# Altium PCB main_io.PcbDoc (part 2 of 3) (continued)
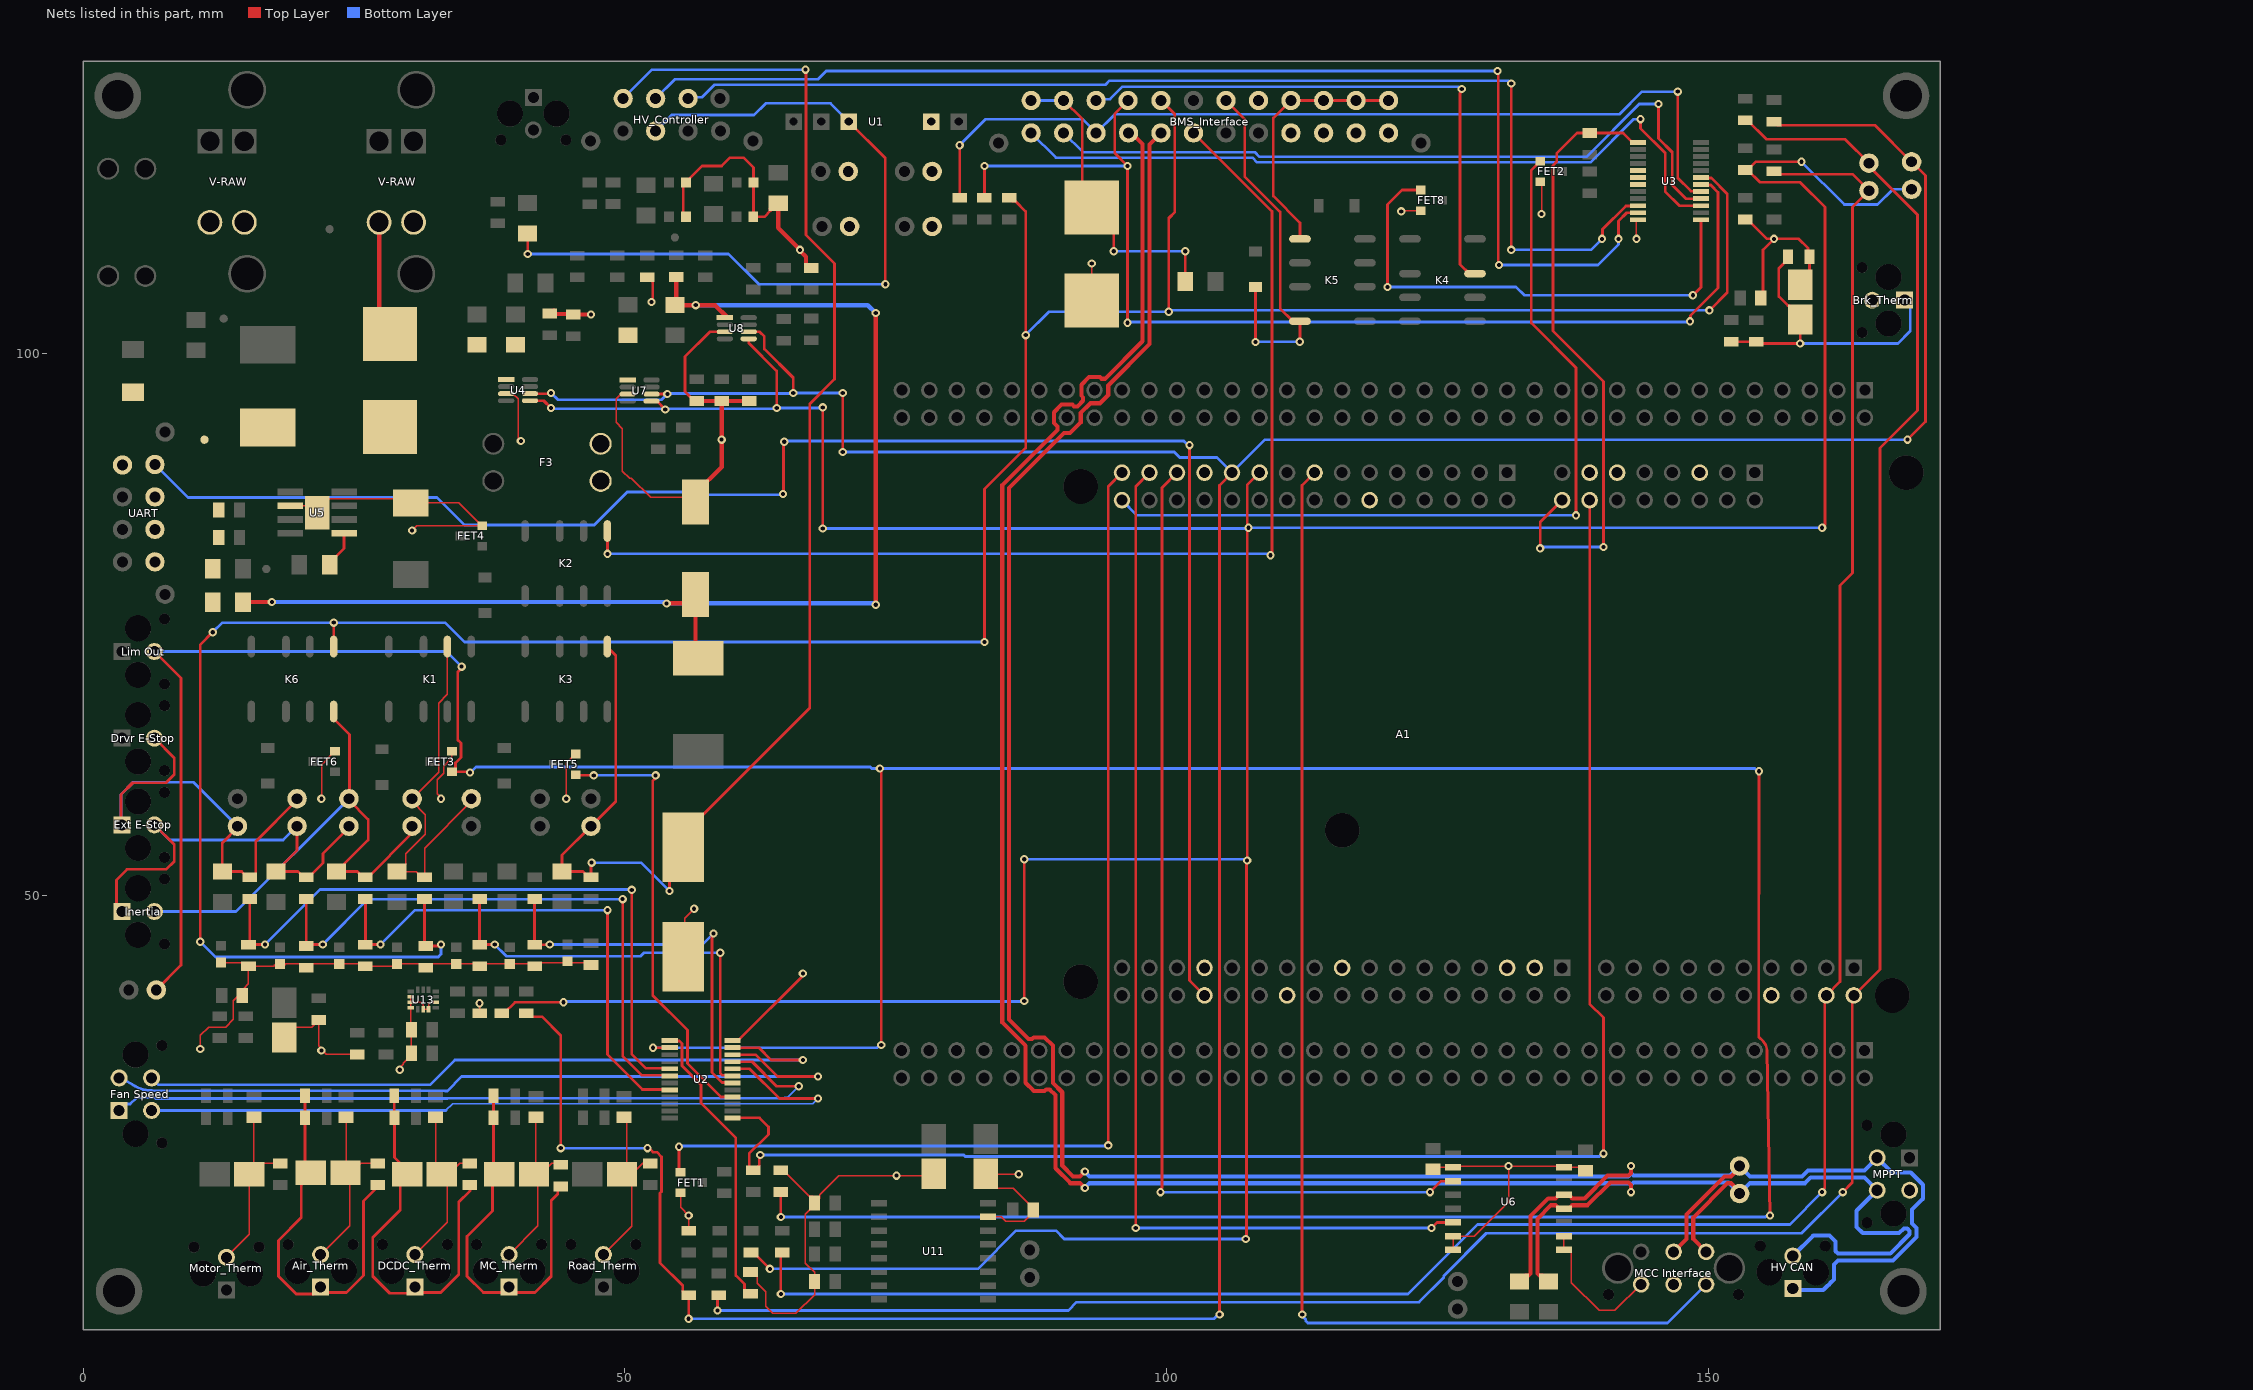
[diagram p4: the nets of this part, all layers, seen from the top]
## Part data (continued)
V-RAW V-RAW: library part CMP-008-000054-1, "Rectangular Power Connector, 2 Contact(s), Male, Solder Terminal"

## Via types
v1: diameter 0.762, hole 0.381, Top Layer to Bottom Layer, 253 vias

## Nets (pads, with @x,y where several pads share a name; then routed paths per layer and width w, separated by ;. In a path a pad name is that pad's centre, name@x,y a point inside that pad or via, vN(x,y) a via of type N, cw(c..) or ccw(c..) an arc to the next point about the centre after c; other vN are vias at no path point)
5V_PreShunt: C8.1 C9.1 L3.2 R7.1 R36.2 U8.1 | length 119.1
  Top Layer w0.254: C8.1@56.154,76.962 56.515,77.323 C8.1@56.515,77.767 ; L3.2@56.515,72.136 L3.2@56.769,71.882
  Top Layer w0.406: C9.1@14.735,77.089 v1(17.399,77.089) ; v1(53.848,76.962) C8.1@56.154,76.962 ; R36.2@54.737,107.093 54.737,104.612 R7.1@54.628,104.503 54.634,104.497 v1(56.533,104.497) 58.317,104.497 U8.1@59.436,103.378 ; L3.2@56.515,72.136 C8.1@56.515,77.323 ; v1(73.152,76.835) v1(73.152,103.759)
  Bottom Layer w0.254: v1(56.533,104.497) v1@56.539,104.491
  Bottom Layer w0.406: v1(17.399,77.089) 53.625,77.089 53.752,76.962 v1(53.848,76.962) ; v1@53.86,76.962 72.929,76.962 73.056,76.835 v1(73.152,76.835) ; v1@56.539,104.491 72.42,104.491 v1(73.152,103.759)
12V_PreShunt: F3.2 R88.1 U7.1 | length 0.6
  Top Layer w0.254: R88.1@50.292,101.724 50.292,101.219 R88.1@50.385,101.126
Air_Therm: Air_Therm.1 D15.1 R111.1 R112.1 TH3.2 | length 37.4
  Top Layer w0.254: R112.1@20.463,31.877 R111.1@20.463,29.464 20.463,24.911 21.117,24.257 20.114,23.254 20.114,20.25 18.016,18.152 18.016,14.841 19.65,13.208 21.273,13.208 Air_Therm.1@21.907,13.843 22.415,13.335 24.292,13.335 25.863,14.905 25.863,21.786 27.334,23.257 TH3.2@27.559,23.257
BMS_CHRG_EN: BMS_Interface.4 R79.1 U3.18 | length 104.5
  Top Layer w0.254: R79.1@83.185,114.411 v1(83.185,117.348) ; v1(96.393,102.87) v1(96.393,117.348) 95.225,118.516 95.225,122.174 BMS_Interface.4@96.444,123.393 ; v1(148.336,102.997) 148.367,103.028 148.367,103.536 150.91,106.079 150.91,114.911 150.239,115.582 149.375,115.582 U3.18@149.331,115.626
  Bottom Layer w0.254: v1(83.185,117.348) v1(96.393,117.348) ; v1(96.393,102.87) 96.456,102.933 148.273,102.933 v1(148.336,102.997)
BMS_CHRG_PWR: BMS_Interface.3 K4.7 | length 52.4
  Top Layer w0.254: v1(127.254,124.46) 127.157,124.363 127.157,124.119 127.095,124.057 127.095,108.259 127.947,107.407 K4.7@128.476,107.407
  Bottom Layer w0.254: BMS_Interface.3@93.497,123.393 93.617,123.513 94.767,123.513 95.918,124.663 126.913,124.663 127.117,124.46 v1(127.254,124.46)
BMS_DSCHRG_EN: BMS_Interface.5 K6.5 R5.2 R6.1 R78.1 U3.19 | length 275.7
  Top Layer w0.254: v1(10.795,45.72) 10.795,73.152 v1(11.938,74.295) ; K6.5@23.104,72.977 23.109,72.982 23.109,75.179 v1(23.114,75.184) ; R5.2@31.496,49.673 31.496,45.45 R6.1@31.623,45.323 32.877,45.323 v1(33.02,45.466) ; v1(83.185,73.406) 83.185,87.503 86.995,91.313 v1(86.995,101.727) 86.995,113.157 86.064,114.088 R78.1@86.019,114.088 ; R78.1@85.471,114.411 85.794,114.088 R78.1@86.019,114.088 ; R78.1@85.696,114.411 R78.1@86.019,114.088 ; BMS_Interface.5@99.492,123.393 100.762,122.123 100.762,113.078 100.203,112.519 v1(100.203,103.886) ; U3.19@149.331,116.276 149.375,116.232 150.307,116.232 151.765,114.774 151.765,105.664 v1(150.114,104.013)
  Bottom Layer w0.254: v1@10.922,45.593 12.192,44.323 32.766,44.323 33.02,44.577 v1(33.02,45.466) ; v1(11.938,74.295) 12.827,75.184 v1(23.114,75.184) 33.401,75.184 35.179,73.406 v1(83.185,73.406) ; v1(86.995,101.727) 89.154,103.886 v1(100.203,103.886) ; v1@100.203,104.013 v1(150.114,104.013)
BMS_MPI1: BMS_Interface.13 U3.15 | length 70.5
  Top Layer w0.254: v1(143.764,121.666) 143.764,120.807 146.05,118.521 146.05,114.957 147.331,113.676 U3.15@149.331,113.676
  Bottom Layer w0.254: BMS_Interface.13@87.503,120.396 89.789,118.11 107.929,118.11 108.361,117.678 139.141,117.678 143.129,121.666 v1(143.764,121.666)
BMS_MPI2: BMS_Interface.14 U3.16 | length 69
  Top Layer w0.254: v1(145.415,123.063) 145.415,119.883 146.685,118.613 146.685,115.57 147.929,114.326 U3.16@149.331,114.326
  Bottom Layer w0.254: BMS_Interface.14@90.5,120.396 92.278,118.618 108.14,118.618 108.572,118.186 138.76,118.186 143.637,123.063 v1(145.415,123.063)
BMS_MPO1: BMS_Interface.18 K2.5 | length 105.4
  Top Layer w0.254: K2.5@48.377,83.645 48.382,83.64 48.382,81.539 v1(48.387,81.534) ; BMS_Interface.18@102.489,120.396 109.731,113.154 109.731,81.674 109.601,81.544 v1(109.601,81.407)
  Bottom Layer w0.254: v1(48.387,81.534) 109.474,81.534 v1(109.601,81.407)
BMS_MPO2: BMS_Interface.15 R80.1 U3.17 | length 84.9
  Top Layer w0.254: R80.1@80.899,114.411 v1(80.899,119.253) ; v1(147.193,124.206) 147.193,116.25 148.423,115.02 149.287,115.02 U3.17@149.331,114.976
  Bottom Layer w0.254: v1(80.899,119.253) 83.312,121.666 92.227,121.666 BMS_Interface.15@93.497,120.396 95.225,122.123 141.808,122.123 143.891,124.206 v1(147.193,124.206)
BMS_MPO3: BMS_Interface.7 D7.1 K5.8 | length 34.7
  Top Layer w0.254: BMS_Interface.7@105.486,123.393 107.213,121.666 107.213,116.39 110.49,113.113 110.49,104.183 111.666,103.007 K5.8@112.316,103.007 112.316,101.14 v1(112.292,101.116) v1@112.268,101.092 ; D7.1@108.204,106.183 108.216,106.171 v1(108.216,101.104)
  Bottom Layer w0.254: v1@108.204,101.092 v1(108.216,101.104) 108.228,101.116 v1(112.292,101.116)
BMS_PWR: BMS_Interface.1 BMS_Interface.2 C15.1 F2.2 | length 28.2
  Top Layer w0.254: BMS_Interface.2@90.5,123.393 92.227,121.666 92.227,114.384 C15.1@93.091,113.52 95.123,111.488 v1(95.123,109.474) ; F2.2@101.724,106.68 101.727,106.683 v1(101.727,109.474)
  Bottom Layer w0.254: BMS_Interface.1@87.503,123.393 BMS_Interface.2@90.5,123.393 ; v1(95.123,109.474) v1(101.727,109.474)
Boot: C4.1 U5.1 | length 3.5
  Top Layer w0.254: C4.1@22.736,80.518 22.736,80.693 24.067,82.024 U5.1@24.067,83.439
Brake_Therm: Brk_Therm.1 D19.1 R118.1 R120.1 TH7.2 | length 29.3
  Top Layer w0.254: R120.1@152.146,101.124 154.416,101.124 R118.1@154.432,101.108 154.575,100.965 v1(158.496,100.965) D19.1@158.496,103.175 158.496,103.445 157.493,104.448 157.354,104.448 156.528,105.275 156.528,107.9 157.369,108.741 TH7.2@157.369,108.966
  Bottom Layer w0.254: v1(158.496,100.965) 167.513,100.965 168.656,102.108 168.656,104.473 Brk_Therm.1@168.227,104.902
Bus_PreShunt: C1.1@28.321,93.236 L1.2 L2.2 R10.1 R12.1 TP1.1 U4.1 | length 3.3
  Top Layer w0.254: L1.2@4.204,96.082 L1.2@4.572,96.45 ; L2.2@14.722,92.2 L2.2@16.614,94.092 ; R10.1@36.322,100.835 R10.1@36.472,100.835
CAN_N: "HV CAN.2" "MCC Interface.3" BMS_Interface.16 MPPT.4 P20.2 R55.1 U6.12 | length 237.1
  Top Layer w0.381: v1(92.456,22.987) 92.011,23.431 91.113,23.431 89.735,24.81 89.735,31.565 89.212,32.088 88.896,32.088 88.746,31.938 87.744,31.938 86.975,32.707 86.975,36.127 84.836,38.266 84.836,87.884 89.919,92.967 89.919,93.283 89.596,93.606 89.596,94.608 90.304,95.316 91.306,95.316 91.468,95.154 91.784,95.154 92.298,95.668 92.298,95.984 92.136,96.146 92.136,97.148 92.844,97.856 93.846,97.856 94.008,97.694 94.324,97.694 97.79,101.161 97.79,119.38 96.774,120.396 BMS_Interface.16@96.495,120.396 ; R55.1@135.255,14.354 134.721,14.888 134.462,14.888 134.239,15.112 134.239,20.141 135.497,21.399 135.924,21.399 136.242,21.082 137.142,21.082 137.46,21.399 138.872,21.399 140.968,23.495 142.652,23.495 142.875,23.272 v1(142.875,22.606) ; 149.812,17.097 148.629,18.279 148.629,20.282 151.779,23.431 152.095,23.431 152.908,22.619 P20.2@152.908,22.479
  Bottom Layer w0.381: v1(92.456,22.987) 92.9,23.431 142.715,23.431 142.875,23.272 ; v1(142.875,22.606) 142.875,23.272 ; 157.813,16.713 159.708,18.608 161.208,18.608 161.767,18.048 161.767,17.152 161.991,16.929 166.816,16.929 168.607,18.719 168.607,19.035 168.384,19.258 168.068,19.258 167.636,18.826 164.273,18.826 163.713,19.386 163.713,20.886 MPPT.4@165.608,22.781 164.426,23.964 159.47,23.964 158.938,23.431 153.861,23.431 P20.2@152.908,22.479 151.892,23.495 143.098,23.495 142.875,23.272
CAN_P: "HV CAN.1" "MCC Interface.2" BMS_Interface.17 MPPT.3 P20.1 R52.1 U6.13 | length 237.7
  Top Layer w0.381: v1(92.456,24.511) 92.011,24.066 91.376,24.066 90.37,25.073 90.37,31.828 89.503,32.695 89.503,36.139 88.746,36.896 87.744,36.896 87.582,36.734 87.266,36.734 85.471,38.53 85.471,87.621 90.526,92.676 91.084,92.676 92.075,93.667 92.075,94.547 92.965,95.438 93.846,95.438 94.615,96.207 94.615,97.087 98.425,100.897 98.425,119.329 BMS_Interface.17@99.492,120.396 ; R52.1@132.588,14.354 133.122,14.888 133.381,14.888 133.604,15.112 133.604,20.404 135.234,22.034 135.924,22.034 136.242,22.352 U6.13@136.692,22.352 137.142,22.352 137.46,22.034 138.609,22.034 140.705,24.13 142.652,24.13 142.875,24.353 v1(142.875,25.019) ; 146.812,17.097 147.994,18.279 147.994,20.545 151.516,24.066 152.095,24.066 152.908,24.879 P20.1@152.908,25.019
  Bottom Layer w0.381: v1(92.456,24.511) 92.9,24.066 142.628,24.066 142.875,24.313 142.875,24.353 ; v1(142.875,25.019) 142.875,24.353 ; 157.813,13.713 157.963,13.563 160.629,13.563 160.981,13.915 ccw(c159.963,15.213) 161.261,14.195 161.613,14.547 161.613,15.916 161.991,16.294 167.079,16.294 169.242,18.456 169.242,19.298 168.833,19.707 168.833,20.996 169.837,22.001 169.837,23.29 168.706,24.422 166.967,24.422 MPPT.3@165.608,25.781 164.426,24.599 159.207,24.599 158.675,24.066 153.861,24.066 P20.1@152.908,25.019 152.019,24.13 143.098,24.13 142.875,24.353
CAN_RXD: A1.CN9_25 U6.3 | length 94.5
  Top Layer w0.254: v1(99.441,22.606) 99.538,22.703 99.538,22.976 99.571,23.009 99.571,87.633 A1.CN9_25@100.965,89.027 ; v1(124.333,22.606) 125.349,23.622 U6.3@126.452,23.622
  Bottom Layer w0.254: v1(99.441,22.606) v1(124.333,22.606)
CAN_TXD: A1.CN9_27 U6.6 | length 99.8
  Top Layer w0.254: v1(97.155,19.304) 97.155,87.757 A1.CN9_27@98.425,89.027 ; v1(124.46,19.304) 124.968,19.812 U6.6@126.452,19.812
  Bottom Layer w0.254: v1(97.155,19.304) v1(124.46,19.304)
Chrg_Pwr_Dis: FET8.1 U3.13 | length 47
  Top Layer w0.254: v1(120.396,106.172) 120.396,113.792 121.727,115.123 FET8.1@123.46,115.123 ; v1(148.59,105.41) 149.331,106.151 U3.13@149.331,112.376
  Bottom Layer w0.254: v1(120.396,106.172) 132.272,106.172 133.034,105.41 v1(148.59,105.41)
DC_DC_Therm: D16.1 DCDC_Therm.1 R113.1 R114.1 TH4.2 | length 37.5
  Top Layer w0.254: R114.1@28.702,31.496 28.702,29.48 R113.1@28.718,29.464 28.718,25.8 30.261,24.257 29.258,23.254 29.258,20.97 26.716,18.428 26.716,14.841 28.286,13.271 30.035,13.271 DCDC_Therm.1@30.607,13.843 31.115,13.335 32.992,13.335 34.657,15.001 34.657,21.69 35.687,22.72 TH4.2@35.687,23.257 ; D16.1@29.626,24.257 D16.1@29.896,24.257
Discharge_+: Inertia.2 K6.4 P30.2 P37.1 R37.1 R44.1 | length 48.7
  Top Layer w0.254: K6.4@23.104,66.977 23.104,66.327 24.564,64.867 24.564,58.981 P30.2@24.511,58.928 ; R37.1@23.368,52.2 R37.1@23.518,52.2 ; P30.2@24.511,58.801 26.289,57.023 26.289,55.121 24.116,52.948 24.116,52.798 R37.1@23.518,52.2 ; P37.1@30.353,56.134 30.353,55.766 26.26,51.673 R44.1@26.035,51.673 25.81,51.673 25.283,52.2 R37.1@23.518,52.2
  Bottom Layer w0.254: Inertia.2@6.556,48.514 14.097,48.514 P30.2@24.511,58.928
Discharge_-: K1.6 P26.1 P37.2 R4.1 R5.1 | length 34.9
  Top Layer w0.127: R4.1@28.956,52.2 R4.1@29.106,52.2 ; P37.2@30.353,58.674 31.571,57.456 31.571,55.63 29.767,53.827 29.767,52.861 R4.1@29.106,52.2 ; P37.2@30.353,58.928 32.788,61.363 32.788,67.754 33.604,68.571 K1.6@33.604,72.977 ; P26.1@35.814,58.674 31.496,54.356 R5.1@31.496,51.673 31.271,51.673 30.744,52.2 R4.1@29.106,52.2
Driver_Estop_-: "Drvr E-Stop.2" "Ext E-Stop.1" P27.2 P28.1 R34.1 R38.1 | length 44.9
  Top Layer w0.254: 3.556,56.515 3.47,56.601 3.47,59.322 4.554,60.406 7.646,60.406 8.387,61.147 8.387,62.685 6.556,64.516 ; P27.2@14.224,56.261 12.827,54.864 R34.1@12.827,52.2 14.615,52.2 15.142,51.673 R38.1@15.367,51.673 15.592,51.673 15.915,51.996 15.915,54.989 P28.1@19.727,58.801
  Bottom Layer w0.254: 3.556,56.515 3.47,56.601 3.47,59.322 4.6,60.452 10.16,60.452 P27.2@14.224,56.388
Driver_Estop_Fdbk: R38.2 R39.1 U2.17 | length 60.8
  Top Layer w0.254: R39.1@15.24,45.45 15.256,45.466 v1(16.764,45.466) ; R39.1@15.367,45.577 R38.2@15.367,49.673 ; v1(50.621,50.516) 50.621,35.358 51.94,34.039 54.079,34.039 U2.17@54.123,33.995
  Bottom Layer w0.254: v1(16.764,45.466) 21.844,50.546 50.59,50.546 v1(50.621,50.516)
DriverIO_Hrn: R22.2 U2.13 | length 27.1
  Top Layer w0.254: U2.13@54.123,36.595 54.167,36.551 55.031,36.551 55.254,36.328 55.254,34.277 57.009,32.522 57.009,30.846 60.238,27.616 60.238,14.917 61.047,14.108 61.047,13.547 61.37,13.224 R22.2@61.595,13.224
Eco_EN: U3.6
Ext_Estop_-: "Ext E-Stop.2" Inertia.1 P28.2 P30.1 R35.1 R40.1 | length 41.8
  Top Layer w0.254: Inertia.1@3.556,48.514 3.048,49.022 3.048,51.435 4.018,52.405 7.646,52.405 8.387,53.146 8.387,54.684 6.556,56.515 ; R35.1@17.78,52.2 R35.1@17.93,52.2 ; P28.2@19.727,56.261 19.727,54.147 18.528,52.948 18.528,52.798 R35.1@17.93,52.2 ; P30.1@24.511,56.261 22.112,53.862 22.112,52.986 20.799,51.673 R40.1@20.574,51.673 20.349,51.673 19.822,52.2 R35.1@17.93,52.2
  Bottom Layer w0.254: 6.556,56.515 7.964,55.107 18.446,55.107 P28.2@19.727,56.388
Ext_Estop_Fdbk: R40.2 R41.1 U2.18 | length 54.9
  Top Layer w0.254: R40.2@20.574,49.673 R41.1@20.574,45.323 20.717,45.466 v1(22.098,45.466) ; v1(49.784,49.657) 49.784,35.179 51.574,33.389 54.079,33.389 U2.18@54.123,33.345
  Bottom Layer w0.254: v1(22.098,45.466) 26.289,49.657 v1(49.784,49.657)
FAN_PWR_+: BMS_Interface.9 BMS_Interface.10 BMS_Interface.11 BMS_Interface.12 K5.5 | length 23.5
  Top Layer w0.254: K5.5@112.316,110.607 112.316,112.093 109.855,114.554 109.855,121.768 BMS_Interface.9@111.481,123.393 BMS_Interface.10@114.503,123.393 BMS_Interface.11@117.5,123.393 BMS_Interface.12@120.498,123.393
FAN_SPEED1: "Fan Speed.1" U2.9 | length 70.7
  Top Layer w0.254: U2.9@59.923,34.645 61.748,34.645 64.008,32.385 v1(66.04,32.385)
  Bottom Layer w0.127: 64.96,31.305 v1(66.04,32.385)
  Bottom Layer w0.254: 3.302,30.147 3.888,30.733 4.317,30.733 4.897,31.313 6.609,31.313 6.668,31.254 ccw(c6.745,31.496) 6.743,31.242 33.611,31.242 64.75,31.305 64.96,31.305
FAN_SPEED2: "Fan Speed.2" U2.10 | length 74.1
  Top Layer w0.254: U2.10@59.923,35.295 62.063,35.295 64.084,33.274 v1(67.818,33.274)
  Bottom Layer w0.127: 3.302,33.147 3.481,33.147
  Bottom Layer w0.254: 3.481,33.147 4.718,32.415 ccw(c6.304,35.098) 6.301,31.981 33.392,31.951 33.602,31.951 34.925,33.274 v1(67.818,33.274)
FAN_SPEED3: "Fan Speed.3" U2.8 | length 71
  Top Layer w0.254: U2.8@59.923,33.995 61.509,33.995 64.262,31.242 v1(67.818,31.242)
  Bottom Layer w0.127: 33.477,30.147 34.102,30.772 67.348,30.772 v1(67.818,31.242)
  Bottom Layer w0.254: 6.302,30.147 33.477,30.147
FAN_SPEED4: "Fan Speed.4" U2.11 | length 68.3
  Top Layer w0.254: U2.11@59.923,35.945 62.353,35.945 63.5,34.798 v1(66.421,34.798)
  Bottom Layer w0.254: 6.302,33.147 6.937,32.512 32.004,32.512 34.29,34.798 v1(66.421,34.798)
GND: "MCC Interface.4" "MCC Interface.5" A1.CN7_8 A1.CN8_5 A1.CN8_11 A1.CN8_13 A1.CN9_12 A1.CN9_23 A1.CN10_3 A1.CN10_5 A1.CN10_17 A1.CN10_22 A1.CN10_27 Air_Therm.2 BMS_Interface.8 BMS_Interface.21 BMS_Interface.22 BMS_Interface.23 BMS_Interface.24 Brk_Therm.2 C1.1@124.587,24.704 C1.2@28.321,101.836 C2.2 C3.2 C5.2 C6.2 C7.2 C8.2 C9.2 C10.1 C12.2 C14.2 C15.2 C55.2 C56.2 C57.2 C62.2 C63.2 C64.2 C65.2 C66.2 C67.2 C68.2 D4.2 D5.2 D9.1 D13.1 D14.1 D15.2 D16.2 D17.2 D18.2 D19.2 DCDC_Therm.2 FET1.3 FET2.3 FET3.3 FET4.3 FET5.3 FET6.3 FET8.3 LED1.2 LED2.2 LED3.2 LED4.2 LED5.2 LED6.2 LED7.2 LED8.2 LED9.2 LED10.2 LED11.2 MC_Therm.2 Motor_Therm.2 MPPT.2 P11.2 P16.2 P19.2 P23.2 R6.2 R21.2 R22.1 R30.2 R33.2 R39.2 R41.2 R42.1 R45.2 R49.2 R51.2 R58.1 R59.1 R63.1 R64.1 R68.1 R69.1 R71.2 R126.1 R127.1 Road_Therm.2 TH1.1 TH2.1 TH3.1 TH4.1 TH5.1 TH6.1 TH7.1 U1.2 U2.12 U3.12 U4.3 U5.6 U5.9 U6.2 U6.7 U6.8 U6.9 U6.10 U6.15 U7.3 U8.3 U11.15 U13.2 U13.3 U13.4 U13.6 U13.7 U13.9 UART.4 UART.5 UART.6 UART.7 V-RAW.B1 V-RAW.B2 | length 417.1
  Top Layer w0.127: v1(10.795,35.814) 10.795,37.084 11.557,37.846 13.147,37.846 13.856,38.554 13.856,40.29 14.793,41.227 14.793,41.402 15.24,41.849 R39.2@15.24,43.45 ; C5.2@12.512,85.598 C5.2@12.512,85.773 ; LED4.2@12.7,43.802 14.888,43.802 R39.2@15.24,43.45 ; Motor_Therm.2@13.208,16.589 15.316,18.697 D5.2@15.316,24.257 D5.2@15.748,24.689 ; C14.2@15.748,29.657 C14.2@15.748,29.53 D5.2@15.748,24.689 ; 17.682,43.577 17.555,43.45 R39.2@15.24,43.45 ; LED5.2@17.78,43.675 LED5.2@18.161,43.675 ; TH2.1@18.161,25.257 16.316,25.257 D5.2@15.748,24.689 ; D4.2@18.415,37.643 18.618,37.846 21.066,37.846 TH1.1@21.717,38.497 21.717,36.113 21.971,35.859 v1(21.971,35.687) 22.049,35.687 22.414,35.322 R126.1@25.273,35.322 ; 18.698,43.577 18.063,43.577 LED5.2@18.161,43.675 ; U5.6@19.113,85.979 20.955,85.979 U5.9@21.59,85.344 21.59,85.534 22.677,86.62 29.842,86.62 D9.1@30.226,86.236 34.663,86.236 FET4.3@36.764,84.135 ; Air_Therm.2@21.907,16.843 24.587,19.523 D15.2@24.587,24.257 ; v1(21.971,58.928) 21.993,58.95 21.993,62.074 22.838,62.92 22.838,62.97 23.175,63.307 FET6.3@23.225,63.307 ; C62.2@24.257,29.591 C62.2@24.257,29.53 24.257,24.587 D15.2@24.587,24.257 ; TH3.1@27.559,25.257 TH3.1@27.178,25.257 25.587,25.257 D15.2@24.587,24.257 ; v1(29.21,33.909) 29.21,34.081 29.526,34.396 29.526,34.492 30.292,35.258 C64.2@30.292,35.433 C65.2@30.292,37.592 30.209,37.675 U13.4@30.209,39.636 U13.3@30.209,40.136 ; U13.2@30.209,40.636 U13.3@30.209,40.136 ; v1(30.353,83.693) 30.795,84.135 FET4.3@36.764,84.135 ; DCDC_Therm.2@30.607,16.843 33.579,19.814 33.579,24.257 32.512,25.324 C63.2@32.512,29.53 C63.2@32.512,29.657 ; U13.9@32.529,40.136 32.522,40.143 32.041,40.143 31.869,39.971 U13.7@31.869,39.476 U13.6@31.369,39.476 31.362,39.483 31.362,39.913 31.138,40.136 U13.3@30.209,40.136 ; D16.2@32.944,24.257 D16.2@33.096,24.257 ; v1(33.02,58.928) 33.02,59.006 32.655,59.371 32.655,60.691 33.252,61.289 33.252,61.939 34.02,62.706 FET3.3@34.02,63.307 ; D16.2@33.731,24.257 34.731,25.257 TH4.1@35.687,25.257 ; R127.1@36.576,39.132 v1(36.576,40.047) ; FET4.3@36.814,84.135 FET4.3@36.764,84.135 ; U4.3@39.032,96.322 39.645,96.322 40.132,95.835 40.132,95.477 v1@40.132,91.948 ; MC_Therm.2@39.306,16.843 41.97,19.507 41.97,23.987 D18.2@42.24,24.257 ; C67.2@41.783,29.657 C67.2@41.783,29.53 41.783,24.714 D18.2@42.24,24.257 ; R59.1@43.053,103.727 43.053,103.997 R59.1@43.256,103.997 ; TH6.1@44.323,25.257 43.24,25.257 D18.2@42.24,24.257 ; v1(44.577,58.928) 44.577,62.18 45.063,62.666 45.063,62.716 45.4,63.053 FET5.3@45.45,63.053 ; R49.2@46.863,43.577 46.638,43.802 42.008,43.802 R51.2@41.656,43.45 41.431,43.675 LED9.2@39.37,43.675 36.801,43.675 R33.2@36.576,43.45 36.351,43.675 LED3.2@34.417,43.675 31.848,43.675 31.496,43.323 31.144,43.675 LED1.2@28.956,43.675 28.731,43.45 R45.2@26.035,43.45 25.81,43.675 LED7.2@23.622,43.675 20.926,43.675 R41.2@20.574,43.323 20.222,43.675 LED5.2@18.161,43.675 ; Road_Therm.2@48.006,16.843 50.622,19.459 D17.2@50.622,24.257 ; C66.2@50.165,29.617 50.165,24.714 D17.2@50.622,24.257 ; U7.3@50.25,96.281 49.636,96.281 49.531,96.176 49.499,96.176 49.18,95.857 49.18,93.695 49.771,93.104 49.771,89.167 50.419,88.519 50.591,88.519 52.369,86.741 56.091,86.741 C8.2@56.515,86.317 ; TH5.1@52.324,25.257 51.622,25.257 D17.2@50.622,24.257 ; v1(52.451,104.775) v1@52.573,104.897 ; FET1.3@55.134,22.545 55.134,21.193 v1(55.88,20.447) R21.2@55.88,19.034 ; C3.2@55.372,44.353 55.499,44.48 55.499,47.879 v1(56.388,48.768) ; R63.1@56.031,96.034 56.417,95.647 R63.1@56.642,95.647 ; R69.1@61.468,95.647 61.648,95.647 R69.1@62.034,96.034 ; R22.1@61.595,15.224 61.82,15.224 62.206,14.837 62.206,14.187 62.992,13.401 62.992,12.065 63.627,11.43 65.786,11.43 67.503,13.147 C56.2@67.503,14.351 67.503,15.217 66.661,16.059 66.661,20.572 67.503,21.415 C55.2@67.503,21.59 C55.2@67.734,21.821 ; C2.2@63.63,113.411 C2.2@64.135,113.916 ; R71.2@64.389,24.622 64.614,24.622 67.009,22.227 67.328,22.227 C55.2@67.734,21.821 ; D14.1@78.486,24.308 78.308,24.13 v1(75.057,24.13) 69.73,24.13 67.965,22.364 67.965,22.052 C55.2@67.734,21.821 ; U11.15@83.511,20.32 84.752,20.32 85.134,19.937 86.848,19.937 87.691,20.78 C57.2@87.691,20.955 87.691,21.13 85.849,22.972 84.379,22.972 83.312,24.038 D13.1@83.312,24.308 83.363,24.257 v1(86.36,24.257) ; C15.2@93.091,104.92 v1(93.091,108.331) ; v1(121.666,113.157) 121.732,113.223 FET8.3@123.46,113.223 ; C1.1@124.206,24.704 124.394,24.892 U6.2@126.452,24.892 126.579,25.019 v1(131.572,25.019) ; U6.8@126.452,17.272 U6.7@126.452,18.542 128.397,18.542 131.572,21.717 v1(131.572,25.019) ; FET2.3@134.509,115.89 134.62,115.779 v1(134.62,112.903) ; U6.10@136.692,18.542 U6.9@136.692,17.272 137.142,17.272 137.379,17.036 137.379,14.259 139.954,11.684 141.399,11.684 143.812,14.097 ; C10.1@138.684,24.577 138.369,24.892 U6.15@136.692,24.892 136.565,25.019 v1(131.572,25.019) ; v1(143.383,110.617) 143.383,112.228 U3.12@143.531,112.376 ; R59.1@43.256,103.997 43.411,103.997 43.528,104.114 43.373,104.114 R59.1@43.256,103.997
  Top Layer w0.254: R42.1@52.07,107.077 52.573,106.574 v1@52.573,104.897 ; LED11.2@55.626,112.674 55.372,112.928 55.372,115.57 LED2.2@55.626,115.824 ; LED2.2@55.626,115.849 57.125,117.348 58.928,117.348 59.69,118.11 60.96,118.11 61.862,117.208 LED6.2@61.862,115.824 ; R63.1@56.031,96.034 55.541,96.523 55.541,99.737 57.841,102.037 U8.3@59.225,102.037 ; U2.12@59.923,36.595 60.448,36.595 66.299,42.447 66.299,42.677 v1(66.421,42.799) ; LED10.2@61.849,112.649 62.868,112.649 63.438,113.219 C2.2@63.438,113.394 ; LED10.2@61.855,112.655 LED6.2@61.855,115.818 ; R30.2@153.416,112.411 153.641,112.411 155.435,110.617 v1(156.083,110.617) ; C68.2@154.874,105.156 155.067,105.349 155.067,109.601 v1(156.083,110.617) ; D19.2@158.496,106.375 159.369,107.248 TH7.1@159.369,108.966 159.229,109.106 159.229,109.757 158.369,110.617 v1(156.083,110.617)
  Top Layer w0.406: V-RAW.B2@27.3,112.141 27.3,102.857 C1.2@28.321,101.836 ; R59.1@42.828,103.727 R59.1@43.053,103.727 43.101,103.68 45.164,103.68 R58.1@45.212,103.632 v1(46.863,103.632) ; LED11.2@55.626,112.649 LED11.2@55.626,112.674 ; LED2.2@55.626,115.824 LED2.2@55.626,115.849 ; C8.2@56.515,86.317 56.515,87.142 58.928,89.555 v1(58.928,92.075) R64.1@58.928,95.647 ; R63.1@56.642,95.647 R64.1@58.928,95.647 ; R69.1@61.468,95.647 R64.1@58.928,95.647 ; LED10.2@61.849,112.649 LED10.2@61.855,112.655 ; LED6.2@61.855,115.818 LED6.2@61.862,115.824 ; C2.2@63.438,113.394 63.455,113.411 C2.2@63.63,113.411 ; C2.2@64.135,113.916 64.135,111.633 v1(66.167,109.601) 66.167,109.505 66.711,108.961 66.711,108.165 66.958,107.918 R68.1@67.183,107.918
  other v1: 40.386,91.948
GPIO1_INT: A1.CN8_14 R15.1 U2.1 | length 149.4
  Top Layer w0.254: U2.1@59.923,29.445 59.942,29.464 62.419,29.464 63.246,28.637 63.246,27.94 61.468,26.162 61.468,24.818 61.791,24.495 61.82,24.495 62.397,25.072 62.397,25.948 v1(62.484,26.035) ; A1.CN8_14@139.065,86.487 139.065,39.99 140.335,38.72 v1(140.335,26.162)
  Bottom Layer w0.254: v1(62.484,26.035) 81.285,26.035 81.412,25.908 139.944,25.908 140.198,26.162 v1(140.335,26.162)
GPIO1_RST: A1.CN9_29 FET1.1 | length 104.7
  Top Layer w0.254: v1(54.991,26.797) 54.991,24.588 FET1.1@55.134,24.445 ; v1(94.615,26.924) 94.615,87.757 A1.CN9_29@95.885,89.027
  Bottom Layer w0.254: v1(54.991,26.797) 55.054,26.86 94.551,26.86 v1(94.615,26.924)
GPIO2_INT: A1.CN8_16 R24.1 U3.1 | length 58.2
  Top Layer w0.254: v1(134.493,82.042) 134.493,84.455 A1.CN8_16@136.525,86.487 ; v1(140.335,82.169) 140.335,97.455 135.678,102.112 135.678,117.398 136.017,117.737 136.017,118.491 137.906,120.38 R24.1@139.065,120.38 142.152,120.38 143.006,119.526 U3.1@143.531,119.526
  Bottom Layer w0.254: v1@134.493,82.296 134.62,82.169 v1(140.335,82.169)
GPIO2_RST: A1.CN9_30 FET2.1 | length 77.3
  Top Layer w0.254: FET2.1@134.509,117.79 134.459,117.79 134.186,117.517 134.186,117.467 133.678,116.959 133.678,102.829 137.795,98.712 v1(137.795,85.09)
  Bottom Layer w0.254: A1.CN9_30@95.885,86.487 97.282,85.09 v1(137.795,85.09)
HV_GND: HV_Controller.6 R3.1 U1.5 | length 72.1
  Top Layer w0.254: v1(41.021,109.22) R3.1@41.021,111.119 ; U1.5@70.65,121.447 74.041,118.056 v1(74.041,106.426)
  Bottom Layer w0.254: v1(41.021,109.22) 59.563,109.22 62.357,106.426 v1(74.041,106.426) ; HV_Controller.6@52.832,120.574 54.305,122.047 61.921,122.047 63.001,123.126 68.971,123.126 U1.5@70.65,121.447
I2C1_SCL: A1.CN7_4 I2C1.2 R17.1 R26.1 | length 207.7
  Top Layer w0.254: v1(64.389,13.208) 64.389,16.907 R17.1@64.516,17.034 ; R26.1@156.083,116.856 156.353,116.586 163.322,116.586 I2C1.2@164.846,115.062 163.322,113.538 163.322,108.321 163.32,108.319 163.32,107.581 163.322,107.579 163.322,102.321 163.32,102.319 163.32,101.581 163.322,101.579 163.322,97.573 163.319,97.57 163.319,95.724 163.322,95.721 163.322,94.19 ccw(c164.465,94.107) 163.322,94.024 163.322,79.755 162.179,78.612 162.179,42.037 A1.CN7_4@160.909,40.767 160.759,40.617 160.759,22.974 160.528,22.743 v1(160.528,22.606)
  Bottom Layer w0.254: v1(64.389,13.208) 122.301,13.208 128.715,19.622 157.544,19.622 v1(160.528,22.606)
I2C1_SDA: A1.CN7_2 I2C1.1 R14.1 R23.1 | length 222.7
  Top Layer w0.254: v1(58.547,11.684) 58.547,12.97 R14.1@58.674,13.097 ; R23.1@153.416,121.555 153.641,121.555 155.382,119.814 162.634,119.814 I2C1.1@164.846,117.602 164.846,117.314 169.317,112.843 169.317,94.768 165.862,91.313 165.862,43.18 A1.CN7_2@163.449,40.767 163.299,40.617 163.299,23.472 v1(162.433,22.606)
  Bottom Layer w0.254: v1(58.547,11.684) 90.937,11.684 91.699,12.446 123.317,12.446 125.592,14.721 125.592,14.882 129.518,18.807 158.634,18.807 v1(162.433,22.606)
I2C2_SCL: A1.CN9_19 I2C2.2 R19.1 R28.1 R121.1 U4.5 U7.5 U8.5 | length 398.2
  Top Layer w0.254: R121.1@38.608,39.132 38.833,39.132 39.833,40.132 v1(44.323,40.132) ; U4.5@41.232,95.672 42.504,95.672 v1(43.18,94.996) ; U7.5@52.451,95.631 52.959,95.631 v1(53.721,94.869) ; U8.5@61.425,101.387 61.425,101.008 64.008,98.425 v1(64.008,94.996) ; R19.1@61.637,17.034 61.862,17.034 v1(63.373,15.523) v1@63.373,15.494 ; v1(68.263,95.059) v1(68.263,83.883) v1@68.326,83.82 ; v1(86.868,40.259) v1(86.868,53.34) v1@86.995,53.467 ; v1(107.315,18.288) 107.379,18.351 107.379,53.149 v1(107.442,53.213) 107.439,53.216 107.439,87.881 A1.CN9_19@108.585,89.027 ; v1(158.623,117.729) 154.387,117.729 153.641,116.983 154.785,115.839 158.481,115.839 160.782,113.538 160.782,96.73 ccw(c161.925,96.647) 160.782,96.564 160.782,94.19 ccw(c161.925,94.107) 160.782,94.024 160.782,84.201 v1(160.528,83.947)
  Bottom Layer w0.254: v1(43.18,94.996) 43.243,94.932 53.657,94.932 v1(53.721,94.869) 53.785,94.932 63.944,94.932 v1(64.008,94.996) 68.199,94.996 v1(68.263,95.059) v1@68.326,95.123 ; v1(44.323,40.132) 44.386,40.195 86.804,40.195 v1(86.868,40.259) ; v1(63.373,15.523) 82.579,15.523 86.106,19.05 89.789,19.05 90.551,18.288 v1(107.315,18.288) ; v1(68.263,83.883) 107.251,83.883 v1@107.442,83.693 ; v1(86.868,53.34) 107.315,53.34 v1(107.442,53.213) v1@107.569,53.086 ; v1(107.569,83.947) v1(160.528,83.947) ; v1(158.623,117.729) 162.571,113.781 165.636,113.781 167.044,115.189 I2C2.2@168.783,115.189
I2C2_SDA: A1.CN9_21 I2C2.1 R16.1 R25.1 R122.1 U4.6 U7.6 U8.6 | length 353.4
  Top Layer w0.254: R122.1@40.894,39.132 41.217,38.809 42.344,38.809 44.069,37.084 v1(44.069,26.67) ; U4.6@41.232,96.322 43.109,96.322 v1(43.18,96.393) ; v1(52.07,26.67) 52.207,26.67 52.584,26.294 52.951,26.294 53.38,25.865 53.38,22.649 53.234,22.503 53.234,16.079 55.332,13.981 55.332,13.42 55.655,13.097 R16.1@55.88,13.097 v1(55.88,10.922) ; U7.6@52.451,96.281 v1(53.911,96.281) ; U8.6@61.425,102.037 62.428,102.037 62.865,101.6 62.865,100.457 65.532,97.79 v1(65.532,96.393) ; v1(70.104,90.932) v1(70.104,96.393) ; v1(104.902,11.303) 104.879,11.326 104.879,87.861 A1.CN9_21@106.045,89.027 ; R25.1@156.083,121.428 156.406,121.105 165.407,121.105 I2C2.1@168.783,117.729 170.064,116.448 170.064,93.737 v1(168.402,92.075)
  Bottom Layer w0.254: v1(43.18,96.393) 43.815,95.758 53.389,95.758 v1(53.911,96.281) 53.967,96.337 65.476,96.337 v1(65.532,96.393) v1(70.104,96.393) ; v1(44.069,26.67) v1(52.07,26.67) ; v1(55.88,10.922) 104.384,10.922 104.765,11.303 v1(104.902,11.303) ; v1(70.104,90.932) 100.711,90.932 101.219,90.424 104.648,90.424 A1.CN9_21@106.045,89.027 109.093,92.075 v1(168.402,92.075)
IMD_Fdbk: R50.2 R51.1 U2.6 | length 36.2
  Top Layer w0.254: R50.2@41.656,49.673 R51.1@41.656,45.45 v1@42.91,45.45 ; v1(58.166,46.482) 58.166,46.345 58.039,46.218 58.039,33.647 58.947,32.739 59.879,32.739 U2.6@59.923,32.695
  Bottom Layer w0.254: v1(43.053,45.466) 57.15,45.466 v1(58.166,46.482)
Inertia_Fdbk: R44.2 R45.1 U2.20 | length 48.3
  Top Layer w0.254: R44.2@26.035,49.673 R45.1@26.035,45.45 26.051,45.466 v1(27.432,45.466) ; v1(48.387,48.641) 48.387,35.306 51.604,32.089 54.079,32.089 U2.20@54.123,32.045
  Bottom Layer w0.254: v1(27.432,45.466) 30.607,48.641 v1(48.387,48.641)
Lim_Fdbk: R32.2 R33.1 U2.7 | length 39.4
  Top Layer w0.254: R32.2@36.576,49.673 R33.1@36.576,45.45 36.592,45.466 v1(37.973,45.466) ; v1(58.801,44.704) 58.792,44.695 58.792,33.612 59.015,33.389 59.879,33.389 U2.7@59.923,33.345
  Bottom Layer w0.254: v1(37.973,45.466) 39.052,44.386 51.43,44.386 51.747,44.704 v1(58.801,44.704)
Lim_Out: "Lim OUt.2" "Lim Out.2" FET3.1 R71.1 U2.14 | length 376.8
  Top Layer w0.254: 6.556,72.517 9.017,70.056 9.017,43.561 6.731,41.275 ; FET3.1@34.02,61.407 FET3.1@34.07,61.407 ; v1(34.925,71.12) 34.925,70.983 34.565,70.623 34.565,64.353 34.851,64.067 34.851,62.749 34.343,62.241 34.343,61.68 FET3.1@34.07,61.407 ; v1(35.687,61.341) 35.621,61.407 FET3.1@34.07,61.407 ; v1(52.578,35.941) 52.58,35.943 54.121,35.943 U2.14@54.123,35.945 ; v1(64.389,20.32) R71.1@64.389,22.622 ; v1(73.66,36.195) 73.66,61.595 v1@73.787,61.722 ; v1(154.686,61.468) 154.686,50.163 154.683,50.16 154.683,37.015 154.683,36.91 155.097,36.496 cw(c154.285,35.687) 155.431,35.707 v1(155.702,20.447)
  Bottom Layer w0.254: 6.556,72.517 33.528,72.517 v1(34.925,71.12) ; v1(35.687,61.341) 35.749,61.341 36.257,61.849 72.644,61.849 72.771,61.722 v1(73.533,61.722) 154.295,61.722 154.549,61.468 v1(154.686,61.468) ; v1(52.578,35.941) 73.269,35.941 73.523,36.195 v1(73.66,36.195) ; v1(64.389,20.32) 155.299,20.32 155.329,20.35 155.605,20.35 v1(155.702,20.447)
LOW_CONT_DR: C3.1 HV_Controller.1 K3.5 P32.2 R46.1 R48.1 | length 137.3
  Top Layer w0.254: v1@46.99,53.086 v1(46.926,53.023) 46.863,52.959 R48.1@46.863,51.673 46.638,51.673 46.111,52.2 R46.1@44.196,52.2 44.196,53.721 P32.2@46.863,56.388 49.149,58.674 49.149,72.136 K3.5@48.377,72.908 ; K3.5@48.342,72.943 K3.5@48.377,72.908 ; K3.5@48.377,72.977 K3.5@48.377,72.908 ; K3.5@48.583,72.242 48.377,72.448 K3.5@48.377,72.908 ; v1(54.102,50.419) 54.102,53.183 C3.1@55.372,54.453 C3.1@55.372,55.728 ; C3.1@55.753,56.007 67.056,67.31 67.056,95.377 69.342,97.663 69.342,108.331 66.713,110.96 66.713,126.2 v1(66.675,126.238)
  Bottom Layer w0.254: v1(46.926,53.023) 51.498,53.023 v1(54.102,50.419) ; HV_Controller.1@49.835,123.571 52.502,126.238 v1(66.675,126.238)
LOW_CONT_TELEM: HV_Controller.2 U3.11 | length 112.8
  Top Layer w0.254: v1(130.556,126.111) 130.619,126.047 130.619,108.267 v1(130.683,108.204) ; v1@141.732,110.871 141.732,112.268 142.49,113.026 U3.11@143.531,113.026
  Bottom Layer w0.254: HV_Controller.2@52.832,123.571 54.61,125.349 67.818,125.349 68.58,126.111 v1(130.556,126.111) ; v1(130.683,108.204) 139.827,108.204 141.732,110.109 v1@141.732,110.871
  other v1: 141.732,110.617
Main_HB: A1.CN10_28 UART.8 | length 155.7
  Top Layer w0.254: v1@64.643,86.995 v1@64.643,91.948 ; v1(102.108,91.567) 102.111,91.564 102.111,88.947 102.108,88.944 102.108,86.57 cw(c100.965,86.487) 102.108,86.404 102.108,43.39 cw(c100.965,43.307) 102.108,43.224 102.108,42.164 102.182,42.09 A1.CN10_28@103.505,40.767
  Bottom Layer w0.254: UART.8@6.604,89.789 9.652,86.741 32.639,86.741 35.179,84.201 47.161,84.201 50.209,87.249 57.161,87.249 57.415,86.995 v1@64.643,86.995 ; v1@64.643,91.948 101.59,91.948 101.971,91.567 v1(102.108,91.567)
  other v1: 64.579,87.058 64.706,91.885
MC_CONT_TELEM: HV_Controller.3 U3.10 | length 106
  Top Layer w0.254: v1(131.826,109.601) v1(131.826,124.968) ; v1(140.208,110.617) 140.252,110.661 140.252,111.506 142.4,113.654 143.509,113.654 U3.10@143.531,113.676
  Bottom Layer w0.254: HV_Controller.3@55.829,123.571 55.949,123.691 57.099,123.691 58.25,124.841 94.351,124.841 94.732,125.222 131.572,125.222 v1(131.826,124.968) ; v1(131.826,109.601) 139.192,109.601 v1(140.208,110.617)
MC_EN: U3.7
MC_ext_Therm: D18.1 MC_Therm.1 R117.1 R119.1 TH6.2 | length 36.8
  Top Layer w0.254: R119.1@37.862,31.496 R117.1@37.862,29.464 37.862,25.26 38.865,24.257 38.77,24.257 37.767,23.254 37.767,20.875 35.415,18.523 35.415,14.841 36.922,13.335 38.798,13.335 MC_Therm.1@39.306,13.843 39.814,13.335 41.691,13.335 43.198,14.842 43.198,21.849 43.797,22.448 43.797,22.858 TH6.2@44.069,23.13 ; D18.1@38.23,24.257 D18.1@38.405,24.257
MC_Status: U3.5
MCC_NRST: "MCC Interface.6" A1.CN9_15 | length 117.5
  Top Layer w0.254: v1(112.522,11.303) 112.499,11.326 112.499,87.861 A1.CN9_15@113.665,89.027
  Bottom Layer w0.254: v1(112.522,11.303) 112.522,11.166 112.861,10.826 112.861,10.71 113.041,10.53 146.245,10.53 149.812,14.097
MCU_HV_En: FET5.1 U2.4 | length 40.9
  Top Layer w0.254: FET5.1@45.45,61.153 45.516,61.087 v1(47.117,61.087) ; v1(52.832,61.087) 52.735,60.99 52.735,60.736 52.558,60.559 52.558,40.785 55.762,37.581 55.762,34.487 58.854,31.395 U2.4@59.923,31.395
  Bottom Layer w0.254: v1(47.117,61.087) v1(52.832,61.087)